# Allegro board T736_DEMO_DBOARD_V0-5-draft.brd (continued)
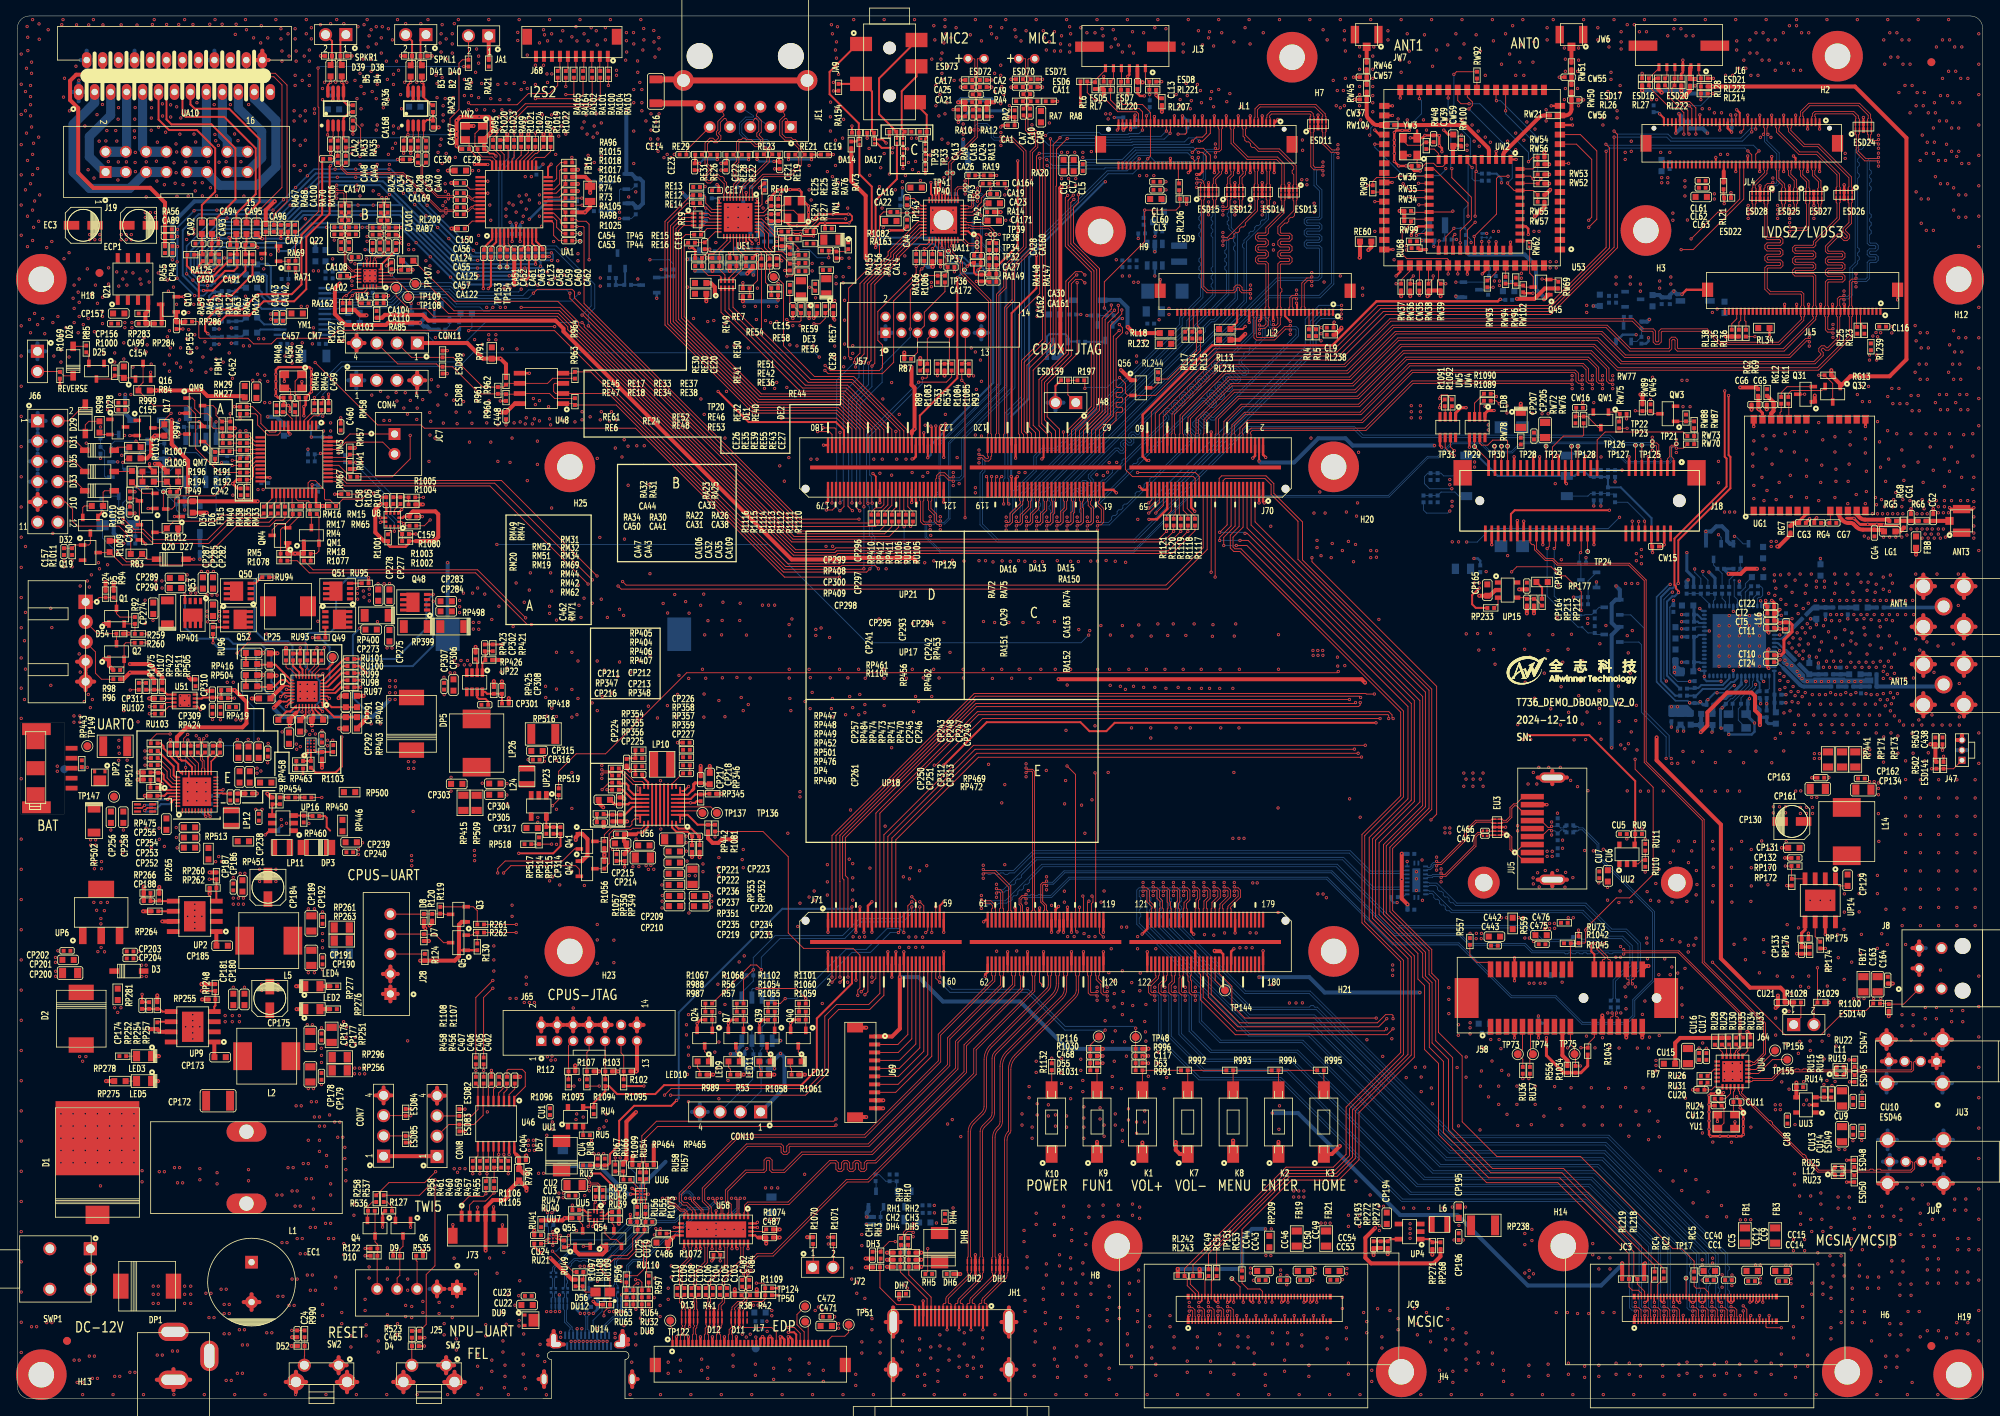
[diagram p0: board, top side]
## Routing (per net, layer and track width the routed paths; a pad name or vN(x,y) marks a point on that pad's centre or on a via; arc(x,y) is an arc through that point) (continued)
v1(77.7,167.67) v1(77.72,166.24) v1(77.75,16.59) v1(77.86,66.69) v1(77.98,164.97) v1(77.98,92.46) v1(78.11,172.85) v1(78.05,10.08) v1(78.23,164.08) v1(78.23,162.43) v1(78.23,161.42) v1(78.36,169.04) v1(78.46,171.73) v1(78.49,170.31) v1(78.74,160.15) v1(79.04,86.79) v1(79.12,9.78) v1(79.12,8.38) v1(79.25,93.12) v1(79.22,11.13) v1(79.32,157.89) v1(79.35,157.2) v1(79.38,161.04) v1(79.38,159) v1(79.73,171.48) v1(79.76,170.05) v1(79.81,20.52) v1(79.78,12.65) v1(79.88,168.15) v1(79.86,15.09) v1(80.01,160.02) v1(79.98,21.31) v1(80.09,16.66) v1(80.24,157.89) v1(80.24,157.2) v1(80.19,85.32) v1(80.26,156.34) v1(80.37,170.59) v1(80.39,169.16) v1(80.39,161.04) v1(80.54,21.31) v1(80.52,11.68) v1(80.52,10.29) v1(80.57,77.46) v1(80.61,71.39) v1(80.57,0.51) v1(80.8,63.06) v1(80.77,62.36) v1(80.76,61.51) v1(80.82,25.11) v1(80.9,99.67) v1(81,155.55) v1(81.41,155.96) v1(81.43,86.87) v1(81.46,98.48) v1(81.53,13.84) v1(81.53,12.45) v1(81.53,4.57) v1(81.53,3.18) v1(81.89,155.55) v1(81.92,16.64) v1(81.92,15.24) v1(82.3,155.96) v1(82.35,100.79) v1(82.44,25.11) v1(82.55,85.42) v1(82.7,88.27) v1(82.88,90.65) v1(83.06,4.83) v1(83.06,3.43) v1(83.72,99.9) v1(83.71,25.12) v1(83.78,70.5) v1(83.78,69.68) v1(83.81,68.62) v1(83.82,46.86) v1(83.82,45.59) v1(83.9,67.37) v1(83.95,40.64) v1(84.1,90.27) v1(84.07,48.13) v1(84.07,44.07) v1(84.07,43.05) v1(84.07,37.21) v1(84.1,21.21) v1(84.15,98.45) v1(84.16,65.56) v1(84.2,41.53) v1(84.33,16.76) v1(84.33,15.37) v1(84.38,0.51) v1(84.56,86.92) v1(84.71,135.38) v1(84.84,149.22) v1(84.92,65.53) v1(85.24,21.21) v1(85.34,25.12) v1(85.6,99.44) v1(85.72,4.95) v1(85.72,3.56) v1(85.83,91.41) v1(85.89,67.02) v1(85.89,66.05) v1(85.98,100.84) v1(86.03,88.32) v1(86,85.42) v1(86.11,95.73) v1(86.23,90.3) v1(86.39,21.21) v1(86.49,135) v1(86.51,97.51) v1(86.49,3.94) v1(86.49,2.54) v1(86.58,25.1) v1(86.97,63.03) v1(86.98,62.33) v1(86.96,61.61) v1(87.25,135.13) v1(87.38,43.43) v1(87.53,21.97) v1(87.53,21.21) v1(87.53,20.45) v1(87.63,41.4) v1(87.76,66.55) v1(87.76,51.94) v1(87.88,87.5) v1(87.88,67.82) v1(87.88,65.53) v1(87.88,44.7) v1(87.88,37.59) v1(88.01,48.39) v1(88.14,46.48) v1(88.21,95.73) v1(88.21,25.1) v1(88.19,0.51) v1(88.29,97.54) v1(88.32,90.35) v1(88.39,99.82) v1(88.65,134.75) v1(88.65,85.47) v1(88.65,52.96) v1(88.65,49.4) v1(88.65,21.21) v1(88.9,131.83) v1(89.03,149.33) v1(89.03,148.06) v1(89.03,146.79) v1(89.03,39.88) v1(89.47,25.12) v1(89.66,5.46) v1(89.66,4.06) v1(89.79,131.95) v1(89.79,21.21) v1(90.14,90.4) v1(90.3,149.33) v1(90.3,148.06) v1(90.3,146.79) v1(90.42,54.74) v1(90.5,97.54) v1(90.55,131.83) v1(90.55,99.69) v1(90.59,16.04) v1(90.68,87.88) v1(90.81,154.05) v1(90.81,67.56) v1(90.93,86.23) v1(90.93,68.83) v1(90.93,66.55) v1(90.93,21.21) v1(91.06,136.91) v1(91.06,55.5) v1(91.09,25.12) v1(91.34,95.71) v1(91.44,154.05) v1(91.57,149.33) v1(91.57,148.06) v1(91.57,131.7) v1(91.57,87) v1(91.8,90.32) v1(91.91,16.04) v1(92,0.51) v1(92.08,154.05) v1(92.46,136.91) v1(92.46,4.32) v1(92.46,2.92) v1(92.58,135.25) v1(92.71,139.19) v1(92.96,127.25) v1(93.6,126.62) v1(93.73,135.13) v1(93.9,9.7) v1(93.93,8.43) v1(94.11,136.91) v1(94.23,127.13) v1(94.17,58.26) v1(94.36,134.87) v1(94.51,11.05) v1(94.51,10.39) v1(94.74,3.81) v1(94.74,2.41) v1(94.87,126.62) v1(95.12,136.91) v1(95.12,135) v1(95.12,127.38) v1(95.81,0.51) v1(96.39,134.62) v1(96.39,126.75) v1(96.52,70.87) v1(96.67,97.03) v1(96.75,95.61) v1(96.7,91.41) v1(96.7,90.32) v1(96.77,132.08) v1(96.77,87.76) v1(96.77,4.95) v1(96.77,3.56) v1(96.9,86.23) v1(97.16,134.49) v1(97.66,131.95) v1(97.76,59.18) v1(98.04,134.49) v1(98.04,62.1) v1(98.68,87.38) v1(98.81,131.83) v1(99.19,154.56) v1(99.19,151.51) v1(99.19,91.41) v1(99.19,62.87) v1(99.19,4.45) v1(99.19,3.05) v1(99.34,90.37) v1(99.31,86.49) v1(99.44,150.24) v1(99.42,117.75) v1(99.57,88.52) v1(99.62,0.51) v1(99.69,131.95) v1(99.82,63.63) v1(99.82,62.48) v1(100.18,117.75) v1(100.69,96.6) v1(100.84,49.53) v1(100.97,3.56) v1(100.97,2.16) v1(101.47,153.8) v1(101.47,66.93) v1(101.47,64.77) v1(101.47,63.12) v1(101.75,95.4) v1(101.83,90.35) v1(101.88,162.51) v1(101.85,160.66) v1(101.85,158.88) v1(101.85,134.49) v1(101.98,172.21) v1(101.98,86.49) v1(102.11,171.07) v1(102.11,153.16) v1(102.11,87.76) v1(102.11,85.47) v1(102.23,164.97) v1(102.39,10.26) v1(102.49,169.04) v1(102.49,157.73) v1(102.49,154.56) v1(102.62,170.05) v1(102.62,168.02) v1(102.64,161.75) v1(102.74,171.96) v1(102.87,165.99) v1(102.87,152.4) v1(102.87,149.61) v1(102.87,9.39) v1(102.88,8.83) v1(103,155.45) v1(103,91.41) v1(103.12,156.72) v1(103.38,157.99) v1(103.43,0.51) v1(103.5,160.35) v1(103.76,85.72) v1(104.01,149.22) v1(104.04,90.35) v1(104.01,52.2) v1(104.27,88.01) v1(104.52,16.38) v1(104.52,14.99) v1(104.65,86.61) v1(104.65,67.06) v1(104.65,65.28) v1(104.65,63.75) v1(104.65,62.48) v1(104.7,57.89) v1(104.78,172.85) v1(105.03,3.05) v1(105.03,1.65) v1(105.16,14.61) v1(105.16,13.21) v1(105.38,91.41) v1(105.41,85.72) v1(105.54,88.27) v1(105.49,57.84) v1(105.79,20.57) v1(105.79,19.18) v1(105.79,7.11) v1(105.79,5.72) v1(106.15,57.89) v1(106.22,90.3) v1(106.17,87) v1(106.17,85.98) v1(106.17,12.57) v1(106.17,11.18) v1(106.7,156.7) v1(106.78,153.34) v1(107.06,10.03) v1(107.06,8.64) v1(107.24,0.51) v1(107.29,117.75) v1(108,151.92) v1(108.08,7.11) v1(108.08,5.72) v1(108.15,154.28) v1(108.33,149.22) v1(108.36,117.75) v1(108.58,172.85) v1(108.58,156.06) v1(108.56,91.41) v1(108.58,90.3) v1(108.58,86.87) v1(108.84,104.01) v1(109.25,153.49) v1(109.98,151.51) v1(110.52,56.57) v1(110.87,152.53) v1(110.87,7.24) v1(110.87,5.84) v1(111,65.41) v1(111.05,0.51) v1(111.25,153.29) v1(111.38,90.3) v1(111.63,154.94) v1(111.68,57.86) v1(111.68,56.57) v1(111.76,65.15) v1(111.89,66.55) v1(112.14,154.05) v1(112.09,116.08) v1(112.14,97.16) v1(112.12,91.41) v1(112.22,21.92) v1(112.22,20.29) v1(112.27,86.11) v1(112.39,172.85) v1(112.52,88.01) v1(112.55,57.86) v1(112.55,56.57) v1(112.78,4.19) v1(112.78,2.79) v1(112.9,153.67) v1(112.9,87.38) v1(113.03,66.17) v1(113.03,7.49) v1(113.03,6.1) v1(113.44,115.6) v1(113.41,57.84) v1(113.41,56.59) v1(113.49,90.35) v1(113.67,104.78) v1(113.67,3.05) v1(113.67,1.65) v1(113.92,66.8) v1(114.05,116.08) v1(114.17,97.28) v1(114.35,110.54) v1(114.35,108.92) v1(114.43,6.48) v1(114.43,5.08) v1(114.55,167.89) v1(114.55,88.01) v1(114.68,148.97) v1(114.68,146.43) v1(114.81,172.09) v1(114.81,105) v1(114.78,91.41) v1(114.94,170.31) v1(114.87,24.22) v1(114.88,23.28) v1(114.86,0.51) v1(115.06,164.59) v1(115.06,162.05) v1(115.14,22.02) v1(115.32,3.56) v1(115.32,2.16) v1(115.44,160.78) v1(115.47,90.32) v1(115.57,163.45) v1(115.62,110.54) v1(115.62,108.92) v1(115.57,8) v1(115.57,6.6) v1(115.7,167.89) v1(115.82,168.66) v1(115.82,166.12) v1(115.82,157.86) v1(116.08,169.93) v1(116.08,165.35) v1(116.08,97.28) v1(116.2,172.85) v1(116.2,171.96) v1(116.2,161.04) v1(116.15,104.93) v1(116.33,171.07) v1(116.46,164.34) v1(116.46,162.43) v1(116.48,155.5) v1(116.54,34.42) v1(116.59,167) v1(116.59,157.35) v1(116.71,6.22) v1(116.71,4.83) v1(116.97,170.56) v1(117.14,105.08) v1(117.12,34.98) v1(117.22,148.97) v1(117.25,116.08) v1(117.25,114.45) v1(117.35,165.23) v1(117.35,146.43) v1(117.6,171.83) v1(117.73,117.96) v1(117.98,5.33) v1(117.98,3.94) v1(118.19,32.84) v1(118.49,91.41) v1(118.52,90.32) v1(118.59,104.98) v1(118.62,8.26) v1(118.62,6.86) v1(118.73,152.62) v1(118.73,151) v1(118.67,0.51) v1(119,4.19) v1(119,2.79) v1(119.29,159.03) v1(119.38,170.94) v1(119.51,131.7) v1(119.76,5.21) v1(119.76,3.81) v1(120.02,172.85) v1(120.02,131.19) v1(120.02,120.78) v1(120.14,126.49) v1(120.22,145.47) v1(120.27,151.71) v1(120.27,150.09) v1(120.47,118.9) v1(120.47,117.29) v1(120.47,105.03) v1(120.65,130.18) v1(120.78,170.18) v1(120.78,127.51) v1(120.78,120.65) v1(120.77,63.07) v1(120.77,61.44) v1(120.78,4.06) v1(120.78,2.67) v1(120.92,159.03) v1(120.9,7.62) v1(120.9,6.22) v1(121.03,97.41) v1(121.01,91.41) v1(121,66.85) v1(121,65.23) v1(121.28,105.03) v1(121.39,145.92) v1(121.67,79.5) v1(121.92,171.96) v1(122.05,171.07) v1(122.15,90.27) v1(122.22,104.88) v1(122.43,166.12) v1(122.43,163.83) v1(122.43,97.28) v1(122.48,0.51) v1(122.68,170.56) v1(122.66,64.47) v1(122.66,62.84) v1(122.68,56.08) v1(123.01,145.92) v1(123.19,167.13) v1(123.19,165.86) v1(123.19,162.31) v1(123.22,158.7) v1(123.22,157.07) v1(123.32,171.83) v1(123.32,164.47) v1(123.32,91.41) v1(123.32,74.68) v1(123.37,105) v1(123.57,163.45) v1(123.7,76.96) v1(123.7,66.93) v1(123.83,172.85) v1(123.88,151.69) v1(123.88,110.48) v1(123.88,108.86) v1(124.21,97.28) v1(124.38,104.95) v1(124.56,90.3) v1(124.97,171.58) v1(125.09,170.69) v1(125.15,110.48) v1(125.15,108.86) v1(125.2,56.11) v1(125.43,105.03) v1(125.48,116.08) v1(125.5,91.41) v1(125.73,170.18) v1(125.86,35.69) v1(125.86,34.29) v1(125.98,97.28) v1(126.11,21.08) v1(126.11,19.68) v1(126.24,116.08) v1(126.21,104.95) v1(126.24,12.32) v1(126.24,10.92) v1(126.29,0.51) v1(126.36,171.45) v1(126.42,110.48) v1(126.42,108.86) v1(126.36,79.57) v1(126.36,77.95) v1(126.37,62.11) v1(126.49,17.78) v1(126.49,16.38) v1(126.64,63.68) v1(126.75,39.12) v1(126.75,37.72) v1(126.87,90.27) v1(127.1,159.66) v1(127.1,158.03) v1(127.13,34.04) v1(127.13,32.64) v1(127.38,4.19) v1(127.38,2.79) v1(127.46,104.93) v1(127.51,8.51) v1(127.51,7.11) v1(127.64,172.85) v1(127.64,42.29) v1(127.64,40.89) v1(127.64,23.24) v1(127.64,21.84) v1(127.69,110.48) v1(127.69,108.86) v1(127.76,137.16) v1(127.76,136.4) v1(127.76,135.64) v1(127.76,36.96) v1(127.76,35.56) v1(127.89,97.28) v1(128.22,91.41) v1(128.42,104.9) v1(128.52,171.45) v1(128.52,13.84) v1(128.52,12.45) v1(128.65,170.56) v1(128.78,10.8) v1(128.78,9.4) v1(128.91,169.04) v1(128.91,78.74) v1(128.93,65.41) v1(128.93,63.78) v1(128.91,16.89) v1(128.91,15.49) v1(128.96,110.48) v1(128.96,108.86) v1(129.16,36.83) v1(129.16,35.43) v1(129.29,170.05) v1(129.57,61.82) v1(129.92,171.32) v1(129.92,168.91) v1(129.92,97.41) v1(129.92,21.84) v1(129.92,20.45) v1(129.92,6.35) v1(129.92,4.95) v1(130.02,91.41) v1(130.05,35.56) v1(130.05,34.16) v1(130.1,0.51) v1(130.23,110.48) v1(130.23,108.86) v1(130.28,105.03) v1(130.3,4.06) v1(130.3,2.67) v1(130.56,18.03) v1(130.56,16.64) v1(130.68,169.8) v1(130.68,168.91) v1(130.68,10.16) v1(130.68,8.76) v1(130.81,170.81) v1(130.81,156.21) v1(130.78,42.65) v1(130.81,40.89) v1(130.81,39.5) v1(130.94,14.48) v1(130.94,13.08) v1(131.06,24.13) v1(131.06,22.73) v1(131.19,74.55) v1(131.17,63.6) v1(131.17,62.23) v1(131.32,77.47) v1(131.44,172.85) v1(131.44,35.43) v1(131.44,34.04) v1(131.5,110.48) v1(131.5,108.86) v1(131.57,156.21) v1(131.57,57.91) v1(131.83,171.96) v1(131.83,169.67) v1(131.83,168.78) v1(131.95,171.07) v1(131.95,104.95) v1(131.95,91.41) v1(131.95,38.99) v1(131.95,37.59) v1(131.95,17.65) v1(131.95,16.26) v1(132.08,21.21) v1(132.08,19.81) v1(132.38,57.91) v1(132.46,156.21) v1(132.59,14.48) v1(132.59,13.08) v1(132.72,6.6) v1(132.72,5.21) v1(132.77,110.48) v1(132.77,108.86) v1(132.84,11.56) v1(132.84,10.16) v1(132.92,104.93) v1(133.22,171.83) v1(133.22,42.55) v1(133.22,41.15) v1(133.48,156.21) v1(133.48,155.57) v1(133.48,39.88) v1(133.48,38.48) v1(133.48,17.02) v1(133.48,15.62) v1(133.63,58.29) v1(133.6,36.58) v1(133.6,35.18) v1(133.6,34.04) v1(133.6,32.64) v1(133.86,20.7) v1(133.86,19.3) v1(133.86,4.19) v1(133.86,2.79) v1(133.91,0.51) v1(133.99,171.2) v1(134.04,110.48) v1(134.04,108.86) v1(134.24,57.91) v1(134.24,24.13) v1(134.24,22.73) v1(134.24,8.64) v1(134.24,7.24) v1(134.34,96.27) v1(134.54,156.31) v1(134.47,104.98) v1(134.49,14.48) v1(134.49,13.08) v1(135,171.2) v1(135,57.91) v1(135.23,115.8) v1(135.25,172.85) v1(135.31,110.48) v1(135.31,108.86) v1(135.31,104.98) v1(135.33,91.41) v1(135.26,51.56) v1(135.26,49.94) v1(135.64,36.45) v1(135.64,35.05) v1(135.74,96.9) v1(135.76,62.23) v1(135.76,6.86) v1(135.76,5.46) v1(135.89,171.7) v1(136.02,170.81) v1(136.04,115.7) v1(136.02,24.26) v1(136.02,22.86) v1(136.14,63.63) v1(136.14,34.29) v1(136.14,32.89) v1(136.27,47.37) v1(136.4,105.05) v1(136.53,51.56) v1(136.53,49.94) v1(136.53,11.18) v1(136.53,9.78) v1(136.58,116.13) v1(136.65,78.49) v1(136.73,53.39) v1(136.78,117.32) v1(136.83,91.41) v1(136.78,14.1) v1(136.78,12.7) v1(136.78,3.81) v1(136.78,2.41) v1(136.93,95.71) v1(136.91,89.41) v1(137.03,169.42) v1(137.03,56.39) v1(137.19,44.73) v1(137.16,40.39) v1(137.16,38.99) v1(137.29,171.58) v1(137.39,52.3) v1(137.41,50.77) v1(137.39,49.07) v1(137.41,42.29) v1(137.54,170.43) v1(137.54,104.95) v1(137.54,46.1) v1(137.54,35.69) v1(137.54,34.29) v1(137.72,117.35) v1(137.72,0.51) v1(137.92,169.67) v1(137.92,24.26) v1(137.92,22.86) v1(138.05,11.43) v1(138.05,10.03) v1(138.18,89.28) v1(138.3,38.86) v1(138.43,168.78) v1(138.43,140.72) v1(138.43,96.9) v1(138.43,53.62) v1(138.43,49.53) v1(138.43,48.13) v1(138.43,33.66) v1(138.43,32.26) v1(138.53,51.03) v1(138.71,44.73) v1(138.84,104.83) v1(138.81,88.9) v1(138.94,42.93) v1(139.06,172.85) v1(139.06,8.13) v1(139.06,6.73) v1(139.24,91.41) v1(139.19,36.32) v1(139.19,34.92) v1(139.32,169.54) v1(139.32,140.72) v1(139.32,14.48) v1(139.32,13.08) v1(139.62,95.58) v1(139.57,84.07) v1(139.6,52.15) v1(139.57,47.37) v1(139.57,5.33) v1(139.57,3.94) v1(139.7,171.32) v1(139.73,49.28) v1(139.7,24.38) v1(139.7,22.99) v1(139.83,168.66) v1(139.83,89.28) v1(140.21,34.67) v1(140.21,33.27) v1(140.34,57.91) v1(140.34,56.39) v1(140.34,11.05) v1(140.34,9.65) v1(140.49,96.98) v1(140.46,16.13) v1(140.46,14.73) v1(140.59,153.29) v1(140.61,51.13) v1(140.59,24) v1(140.59,22.61) v1(140.67,53.34) v1(141.02,64.69) v1(141.02,63.07) v1(140.97,42.8) v1(141.1,171.2) v1(141.1,89.15) v1(141.22,47.27) v1(141.22,36.07) v1(141.22,34.67) v1(141.33,45.97) v1(141.38,49.4) v1(141.38,44.81) v1(141.48,153.29) v1(141.45,91.41) v1(141.53,0.51) v1(141.68,40.41) v1(141.86,10.41) v1(141.86,9.02) v1(142.04,95.58) v1(141.99,84.07) v1(141.99,82.8) v1(142.11,6.48) v1(142.11,5.08) v1(142.29,64.69) v1(142.29,63.07) v1(142.37,153.29) v1(142.49,171.83) v1(142.49,89.15) v1(142.49,51.56) v1(142.49,49.94) v1(142.62,56.39) v1(142.62,4.32) v1(142.62,2.92) v1(142.88,172.85) v1(142.88,97.1) v1(142.88,43.43) v1(142.88,42.04) v1(143.03,135.23) v1(143.56,64.69) v1(143.56,63.07) v1(143.64,38.86) v1(143.76,91.41) v1(143.76,51.56) v1(143.76,49.94) v1(143.89,171.7) v1(143.89,89.03) v1(143.99,40.26) v1(144.12,95.66) v1(144.27,136.65) v1(144.27,135.89) v1(144.4,10.41) v1(144.4,9.02) v1(144.81,97.1) v1(144.83,64.69) v1(144.83,63.07) v1(144.91,7.75) v1(144.91,6.35) v1(145.03,51.56) v1(145.03,49.94) v1(145.16,163.45) v1(145.16,84.07) v1(145.34,0.51) v1(145.41,89.15) v1(145.54,161.93) v1(145.67,162.81) v1(146.05,169.8) v1(146.05,168.78) v1(146.05,91.41) v1(146.1,64.69) v1(146.1,63.07) v1(146.3,51.56) v1(146.3,49.94) v1(146.43,164.85) v1(146.38,95.66) v1(146.56,163.32) v1(146.56,4.7) v1(146.56,3.3) v1(146.69,172.85) v1(146.81,89.03) v1(146.81,12.07) v1(146.94,161.67) v1(146.94,84.07) v1(147.07,162.69) v1(147.42,97.1) v1(147.37,64.69) v1(147.37,63.07) v1(147.57,51.56) v1(147.57,49.94) v1(147.75,151.82) v1(147.83,164.72) v1(147.83,7.75) v1(147.83,6.35) v1(147.96,171.45) v1(148.21,163.96) v1(148.34,162.43) v1(148.31,91.41) v1(148.34,89.03) v1(148.46,169.67) v1(148.64,64.69) v1(148.64,63.07) v1(148.72,58.17) v1(149.15,0.51) v1(149.22,170.56) v1(149.22,149.99) v1(149.22,148.39) v1(149.35,171.32) v1(149.35,89.03) v1(149.48,162.94) v1(149.48,4.7) v1(149.48,3.3) v1(149.61,163.83) v1(149.71,95.55) v1(149.78,97) v1(149.86,169.54) v1(149.86,161.93) v1(149.91,64.69) v1(149.91,63.07) v1(149.89,58.09) v1(150.08,157.25) v1(150.08,155.63) v1(150.5,172.85) v1(150.5,164.08) v1(150.62,89.03) v1(150.62,8.13) v1(150.62,6.73) v1(150.67,91.41) v1(150.75,84.07) v1(150.88,171.2) v1(151.02,149.97) v1(151.02,148.37) v1(151.02,146.16) v1(151.02,144.56) v1(151.18,64.69) v1(151.18,63.07) v1(151.23,58.37) v1(151.51,162.56) v1(151.89,163.58) v1(152.27,89.03) v1(152.4,170.05) v1(152.4,78.49) v1(152.4,4.45) v1(152.4,3.05) v1(152.52,149.97) v1(152.52,148.37) v1(152.45,95.58) v1(152.45,64.69) v1(152.45,63.07) v1(152.63,97.1) v1(152.91,7.87) v1(152.91,6.48) v1(153.03,84.07) v1(152.96,0.51) v1(153.09,91.41) v1(153.29,161.93) v1(153.8,171.83) v1(154.18,7.75) v1(154.18,6.35) v1(154.31,172.85) v1(154.43,169.8) v1(154.43,149.61) v1(154.48,139.57) v1(154.48,137.95) v1(154.48,16.36) v1(154.47,15.75) v1(154.85,14.83) v1(154.94,5.72) v1(154.94,4.32) v1(155.6,133.5) v1(155.95,149.97) v1(155.95,148.37) v1(156.08,171.2) v1(156.34,3.05) v1(156.34,1.65) v1(156.77,0.51) v1(157.23,8.26) v1(157.23,6.86) v1(157.35,133.55) v1(157.48,149.86) v1(157.45,148.87) v1(157.99,95.76) v1(157.99,91.41) v1(158.04,33.76) v1(158.12,172.85) v1(158.12,36.7) v1(158.75,4.83) v1(158.75,3.43) v1(159.03,14.27) v1(159.05,15.44) v1(159.13,8.26) v1(159.13,6.86) v1(159.47,133.4) v1(160.25,138.94) v1(160.58,0.51) v1(160.91,8) v1(160.91,6.6) v1(160.99,157.76) v1(161.01,156.46) v1(161.8,4.19) v1(161.8,2.79) v1(161.93,172.85) v1(162.05,120.4) v1(162.16,141.13) v1(162.16,139.5) v1(162.28,14.83) v1(162.43,111) v1(162.46,149.83) v1(162.46,148.72) v1(162.57,16.32) v1(162.59,15.68) v1(162.81,107.57) v1(162.81,106.68) v1(163.17,113.64) v1(163.32,105.66) v1(163.58,171.58) v1(163.56,154.99) v1(163.56,153.37) v1(163.7,139.95) v1(163.83,111) v1(164.08,170.31) v1(164.08,7.62) v1(164.08,6.22) v1(164.39,0.51) v1(164.59,105.41) v1(164.72,107.19) v1(164.85,165.23) v1(165.35,163.96) v1(165.44,157.18) v1(165.44,155.55) v1(165.38,92.94) v1(165.4,91.82) v1(165.74,172.85) v1(165.74,140.72) v1(165.99,106.3) v1(165.99,14.92) v1(165.99,12.7) v1(165.99,11.3) v1(166.12,163.96) v1(166.24,171.45) v1(166.24,170.31) v1(166.29,91.87) v1(166.37,168.91) v1(166.37,165.48) v1(166.5,111.12) v1(166.52,15.66) v1(166.5,8.89) v1(166.5,7.49) v1(166.56,16.31) v1(166.75,107.44) v1(166.75,22.99) v1(166.75,21.59) v1(166.75,4.45) v1(166.75,3.05) v1(167.39,104.9) v1(167.64,107.06) v1(167.69,27.25) v1(167.77,110.62) v1(167.89,112.27) v1(168.02,118.62) v1(168.15,169.42) v1(168.15,168.28) v1(168.15,166.62) v1(168.15,164.47) v1(168.15,163.45) v1(168.15,162.05) v1(168.15,161.16) v1(168.15,22.99) v1(168.15,21.59) v1(168.2,0.51) v1(168.28,160.27) v1(168.53,139.19) v1(168.53,138.3) v1(168.66,10.8) v1(169.04,159.26) v1(169.04,9.65) v1(169.04,8.26) v1(169.06,44.98) v1(169.54,172.85) v1(169.47,25.53) v1(169.67,3.56) v1(169.67,2.16) v1(169.8,168.28) v1(169.8,166.62) v1(169.8,165.48) v1(169.8,164.47) v1(169.8,163.32) v1(169.8,162.43) v1(169.8,161.29) v1(169.93,169.42) v1(170.41,11.28) v1(170.56,97.66) v1(170.59,24.1) v1(170.94,7.75) v1(170.94,6.35) v1(171.04,42.9) v1(171.15,24.12) v1(171.7,171.45) v1(171.7,170.31) v1(171.96,11.05) v1(172.19,45.11) v1(172.47,142.75) v1(172.97,160.4) v1(172.97,10.03) v1(172.97,8.64) v1(173.23,167.77) v1(173.35,172.85) v1(173.35,166.24) v1(173.66,23.9) v1(173.99,40.23) v1(174.12,171.07) v1(174.12,160.27) v1(174.37,168.91) v1(174.37,167.51) v1(174.47,21.92) v1(174.47,21.31) v1(174.47,20.7) v1(174.47,20.09) v1(174.93,23.88) v1(175.01,11.3) v1(175.13,41.53) v1(175.26,66.04) v1(175.26,65.15) v1(175.26,63.7) v1(175.39,9.4) v1(175.39,8) v1(175.82,0.51) v1(175.87,40.31) v1(175.87,38.48) v1(175.97,67.51) v1(176.02,62.46) v1(176.15,160.27) v1(176.28,170.94) v1(176.3,41.55) v1(176.53,159) v1(176.53,10.8) v1(176.78,23.85) v1(177.04,8.51) v1(177.04,7.11) v1(177.14,38.94) v1(177.16,172.85) v1(177.29,167) v1(177.27,36.96) v1(177.8,169.04) v1(177.8,160.27) v1(177.79,67.88) v1(177.79,66.25) v1(178.18,3.56) v1(178.18,2.16) v1(178.36,66.4) v1(178.36,64.78) v1(178.61,23.9) v1(178.94,7.49) v1(178.94,6.1) v1(179.07,160.27) v1(179.2,169.67) v1(179.2,11.3) v1(179.2,9.91) v1(179.32,51.51) v1(179.32,50.04) v1(179.32,48.26) v1(179.45,115.19) v1(179.45,114.55) v1(179.63,0.51) v1(179.73,112.47) v1(179.73,111.86) v1(179.76,107.39) v1(179.77,24.02) v1(179.83,8.76) v1(179.83,7.37) v1(179.83,3.43) v1(179.83,2.03) v1(179.98,19.89) v1(180.21,171.07) v1(180.37,41.5) v1(180.54,107.39) v1(180.54,46.86) v1(180.52,45.54) v1(180.54,34.19) v1(180.72,168.02) v1(180.97,172.85) v1(180.97,160.27) v1(181.23,169.8) v1(181.15,19.89) v1(181.42,24.02) v1(181.51,95.86) v1(181.51,42.82) v1(181.48,40.28) v1(181.48,8.26) v1(181.48,6.86) v1(181.48,4.95) v1(181.48,3.56) v1(181.99,58.32) v1(181.99,47.12) v1(181.99,46.48) v1(181.99,45.72) v1(182.25,159.64) v1(182.5,157.61) v1(182.55,117.4) v1(182.55,116.76) v1(182.75,170.94) 